# KiCad board FP Interface Card.kicad_pcb (continued)
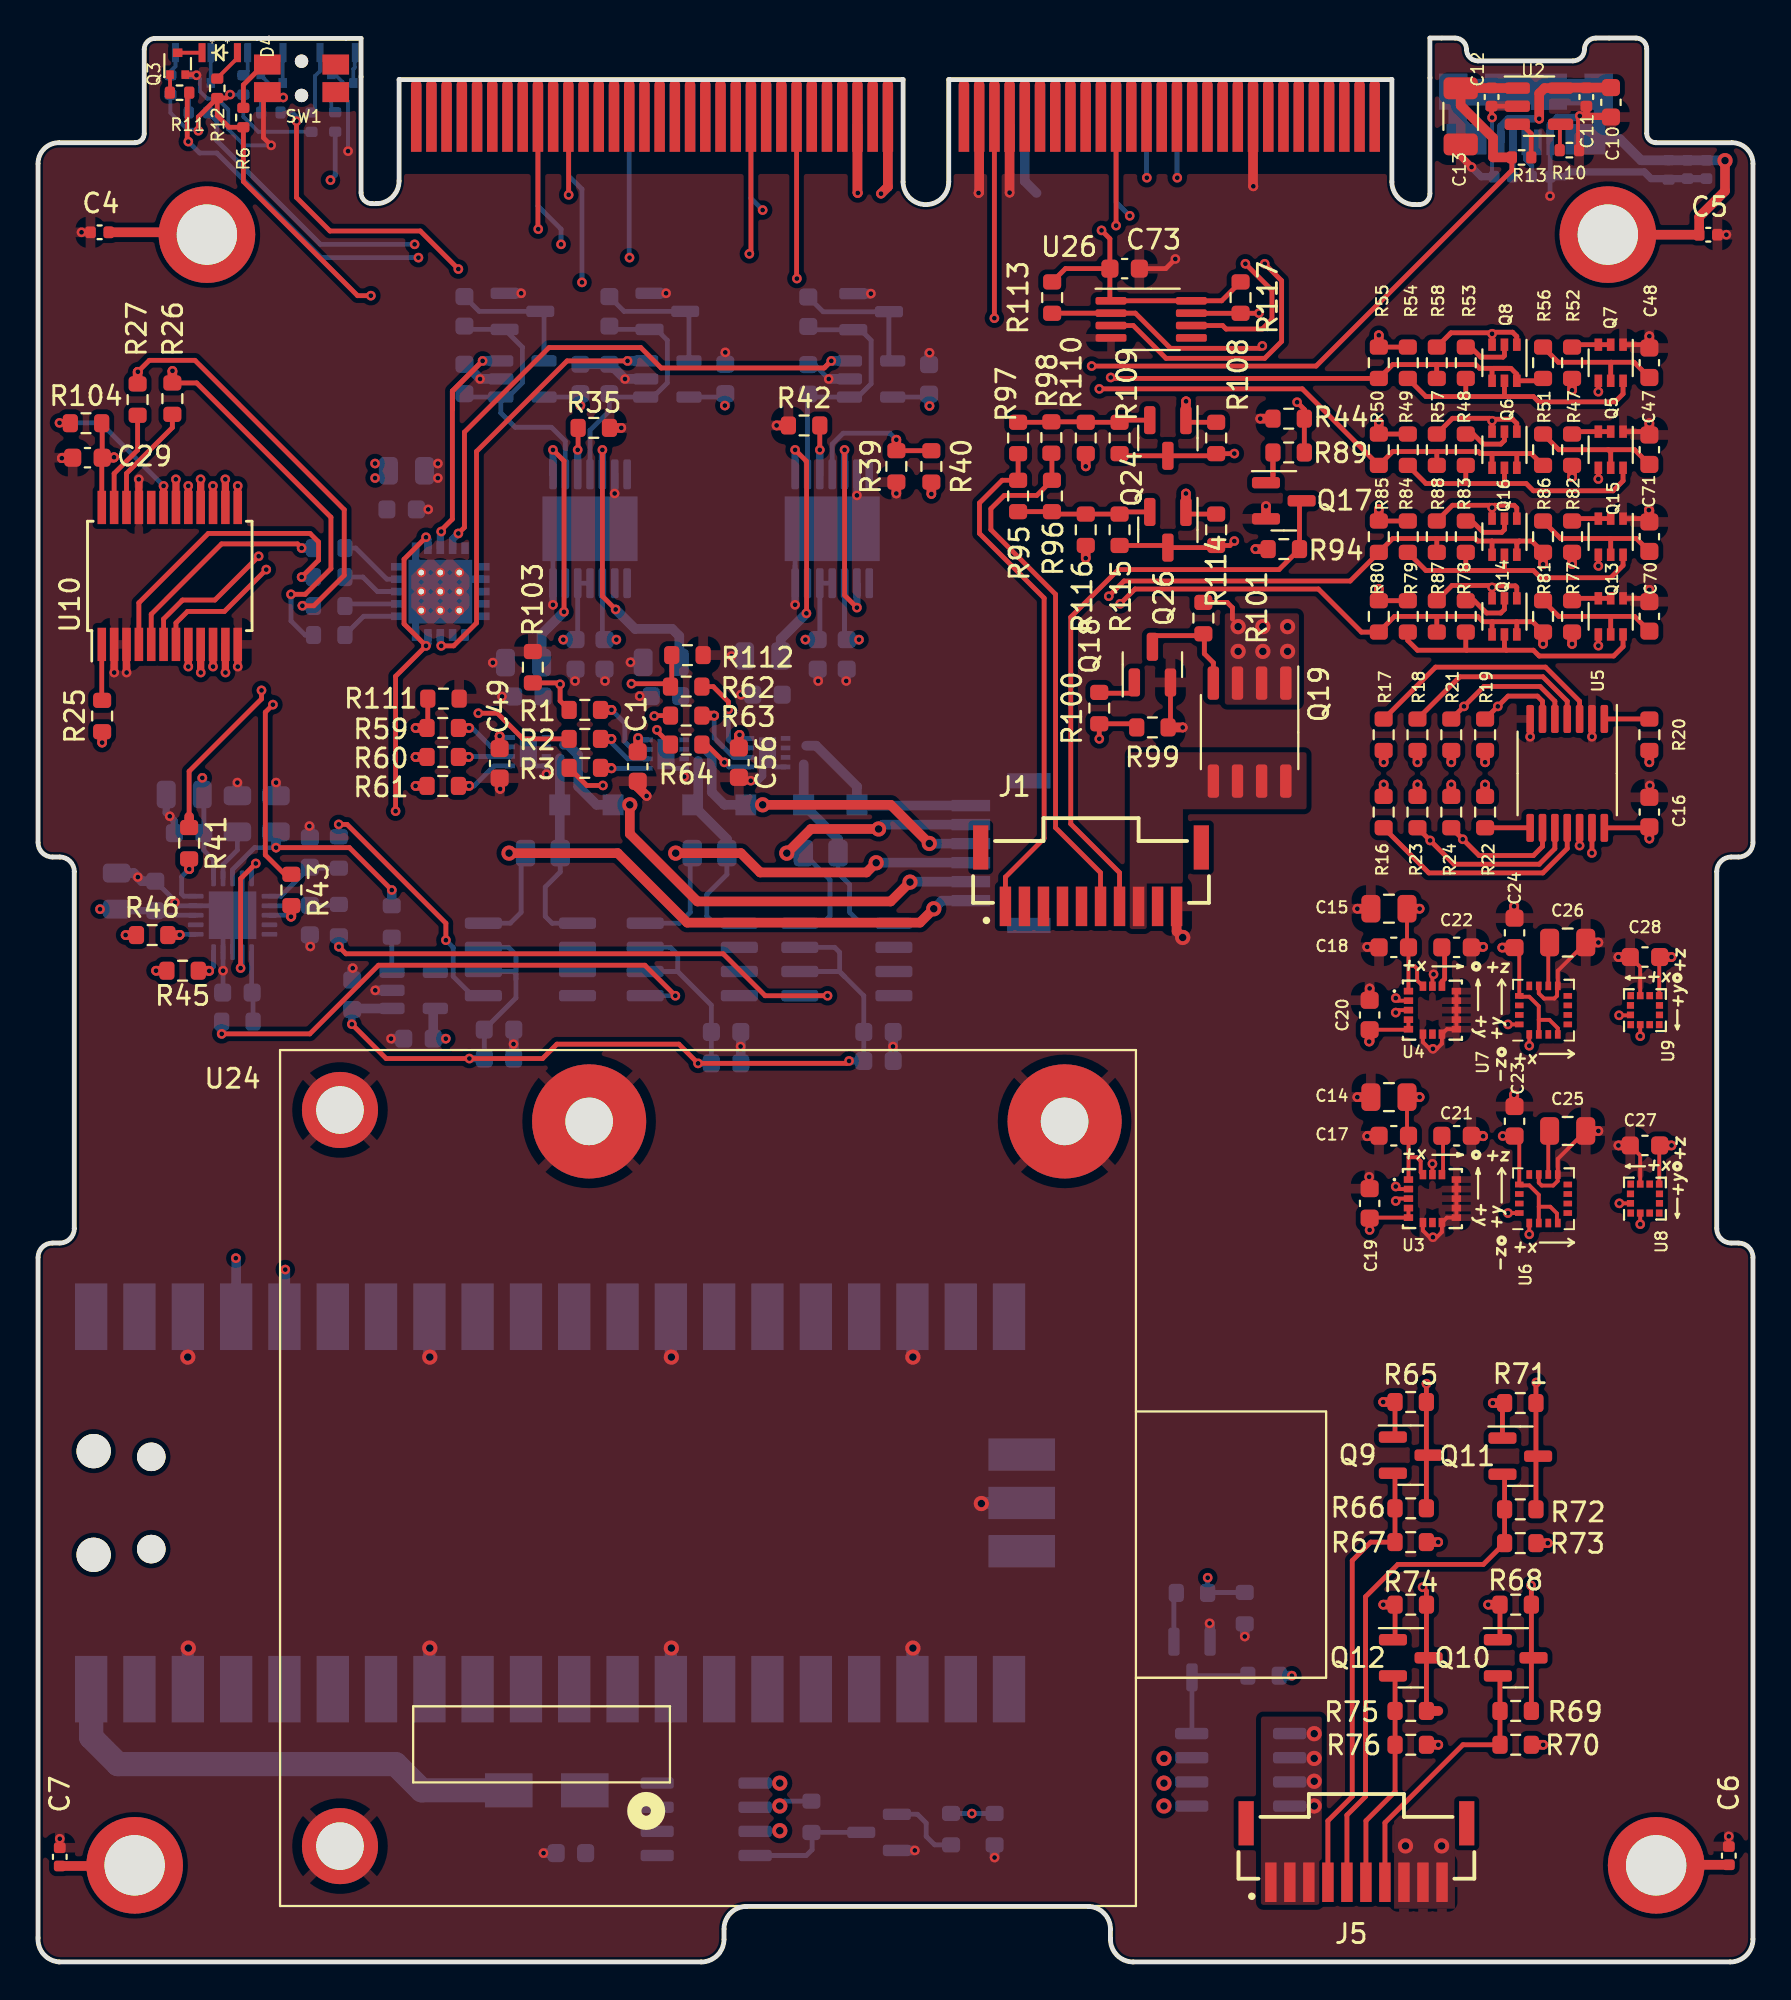
[diagram p0: board, top side]
## Footprints (pads in the part's own frame, mm; a bottom-side part is the same pattern mirrored in y, then rotated)
125mil_hole
  round 5.08 hole 3.175: 1(0,0)
APA2107x
  rect 1x0.37 smd: 1(0,-0.93) 2(0,0.93)
C_0402_1005Metric
  rrect 0.56x0.62 smd: 1(-0.48,0) 2(0.48,0)
C_0603_1608Metric
  rrect 0.9x0.95 smd: 1(-0.775,0) 2(0.775,0)
C_0805_2012Metric
  rrect 1x1.45 smd: 1(-0.95,0) 2(0.95,0)
C_1206_3216Metric
  rrect 1.15x1.8 smd: 1(-1.475,0) 2(1.475,0)
D_SMA
  rect 2.5x1.8 smd: 1(-2,0) 2(2,0)
D_SOD-123F
  rect 1.1x1.1 smd: 1(-1.4,0) 2(1.4,0)
EVQP7C01P
  round 0.7 hole 0.7 unplated: (0,-1.2) (0,-3)
  rect 1.4x1.05 smd: 1(-1.8,-1.375) 1(1.8,-1.375) 2(-1.8,-2.825) 2(1.8,-2.825)
HSEC8-160-CARD-EDGE
  custom 0.55x3.8 smd far side: 1(-25.6,-2.4) 3(-24.8,-2.4) 5(-24,-2.4) 7(-23.2,-2.4) 9(-22.4,-2.4) 11(-21.6,-2.4) 13(-20.8,-2.4) 15(-20,-2.4) 17(-19.2,-2.4) 19(-18.4,-2.4) 21(-17.6,-2.4) 23(-16.8,-2.4) 25(-16,-2.4) 27(-15.2,-2.4) 29(-14.4,-2.4) 31(-13.6,-2.4) 33(-12.8,-2.4) 35(-12,-2.4) 37(-11.2,-2.4) 39(-10.4,-2.4) 41(-9.6,-2.4) 43(-8.8,-2.4) 45(-8,-2.4) 47(-7.2,-2.4) 49(-6.4,-2.4) 51(-5.6,-2.4) 53(-4.8,-2.4) 55(-4,-2.4) 57(-3.2,-2.4) 59(-2.4,-2.4) 61(-1.6,-2.4) 63(-0.8,-2.4) 65(3.2,-2.4) 67(4,-2.4) 69(4.8,-2.4) 71(5.6,-2.4) 73(6.4,-2.4) 75(7.2,-2.4) 77(8,-2.4) 79(8.8,-2.4) 81(9.6,-2.4) 83(10.4,-2.4) 85(11.2,-2.4) 87(12,-2.4) 89(12.8,-2.4) 91(13.6,-2.4) 93(14.4,-2.4) 95(15.2,-2.4) 97(16,-2.4) 99(16.8,-2.4) 101(17.6,-2.4) 103(18.4,-2.4) 105(19.2,-2.4) 107(20,-2.4) 109(20.8,-2.4) 111(21.6,-2.4) 113(22.4,-2.4) 115(23.2,-2.4) 117(24,-2.4) 119(24.8,-2.4)
  custom 0.55x3.8 smd: 2(-25.6,-2.4) 4(-24.8,-2.4) 6(-24,-2.4) 8(-23.2,-2.4) 10(-22.4,-2.4) 12(-21.6,-2.4) 14(-20.8,-2.4) 16(-20,-2.4) 18(-19.2,-2.4) 20(-18.4,-2.4) 22(-17.6,-2.4) 24(-16.8,-2.4) 26(-16,-2.4) 28(-15.2,-2.4) 30(-14.4,-2.4) 32(-13.6,-2.4) 34(-12.8,-2.4) 36(-12,-2.4) 38(-11.2,-2.4) 40(-10.4,-2.4) 42(-9.6,-2.4) 44(-8.8,-2.4) 46(-8,-2.4) 48(-7.2,-2.4) 50(-6.4,-2.4) 52(-5.6,-2.4) 54(-4.8,-2.4) 56(-4,-2.4) 58(-3.2,-2.4) 60(-2.4,-2.4) 62(-1.6,-2.4) 64(-0.8,-2.4) 66(3.2,-2.4) 68(4,-2.4) 70(4.8,-2.4) 72(5.6,-2.4) 74(6.4,-2.4) 76(7.2,-2.4) 78(8,-2.4) 80(8.8,-2.4) 82(9.6,-2.4) 84(10.4,-2.4) 86(11.2,-2.4) 88(12,-2.4) 90(12.8,-2.4) 92(13.6,-2.4) 94(14.4,-2.4) 96(15.2,-2.4) 98(16,-2.4) 100(16.8,-2.4) 102(17.6,-2.4) 104(18.4,-2.4) 106(19.2,-2.4) 108(20,-2.4) 110(20.8,-2.4) 112(21.6,-2.4) 114(22.4,-2.4) 116(23.2,-2.4) 118(24,-2.4) 120(24.8,-2.4)
HTSSOP-14-1EP_4.4x5mm_P0.65mm_EP3.4x5mm_Mask3x3.1mm
  rrect 1.21x1.25 smd: (-0.75,-0.775) (-0.75,0.775) (0.75,-0.775) (0.75,0.775)
  rect 3x3.1 smd: (0,0)
  rrect 1.575x0.4 smd: 1(-2.862,1.95) 2(-2.862,1.3) 3(-2.862,0.65) 4(-2.862,0) 5(-2.862,-0.65) 6(-2.862,-1.3) 7(-2.862,-1.95) 8(2.862,-1.95) 9(2.862,-1.3) 10(2.862,-0.65) 11(2.862,0) 12(2.862,0.65) 13(2.862,1.3) 14(2.862,1.95)
  rect 3.4x5 smd: 15(0,0)
IAM-20380
  rrect 0.49x0.35 smd: 1(-1.26,1) 2(-1.26,0.5) 3(-1.26,0) 4(-1.26,-0.5) 5(-1.26,-1) 9(1.26,-1) 10(1.26,-0.5) 11(1.26,0) 12(1.26,0.5) 13(1.26,1)
  rrect 0.35x0.49 smd: 6(-0.5,-1.26) 7(0,-1.26) 8(0.5,-1.26) 14(0.5,1.26) 15(0,1.26) 16(-0.5,1.26)
MCP47FVB24EMQ
  rect 0.616x0.4 smd: 1(-2.283,1.3) 2(-2.283,0.65) 3(-2.283,0) 4(-2.283,-0.65) 5(-2.283,-1.3) 11(2.283,-1.3) 12(2.283,-0.65) 13(2.283,0) 14(2.283,0.65) 15(2.283,1.3)
  rect 0.4x0.616 smd: 6(-1.3,-2.283) 7(-0.65,-2.283) 8(0,-2.283) 9(0.65,-2.283) 10(1.3,-2.283) 16(1.3,2.283) 17(0.65,2.283) 18(0,2.283) 19(-0.65,2.283) 20(-1.3,2.283)
  round 0.5 hole 0.3: 21(-1,-1) 21(-1,0) 21(-1,1) 21(0,-1) 21(0,0) 21(0,1) 21(1,-1) 21(1,0) 21(1,1)
  rect 3.35x3.35 smd: 21(0,0)
MMC5983MA
  rect 0.45x0.3 smd: 1(-1.275,0.75) 2(-1.275,0.25) 3(-1.275,-0.25) 4(-1.275,-0.75) 9(1.275,-0.75) 10(1.275,-0.25) 11(1.275,0.25) 12(1.275,0.75)
  rect 0.3x0.45 smd: 5(-0.75,-1.275) 6(-0.25,-1.275) 7(0.25,-1.275) 8(0.75,-1.275) 13(0.75,1.275) 14(0.25,1.275) 15(-0.25,1.275) 16(-0.75,1.275)
MSOP-8_3x3mm_P0.65mm
  rrect 1.625x0.4 smd: 1(-2.112,0.975) 2(-2.112,0.325) 3(-2.112,-0.325) 4(-2.112,-0.975) 5(2.112,-0.975) 6(2.112,-0.325) 7(2.112,0.325) 8(2.112,0.975)
MXC6655XA
  rect 0.375x0.35 smd: 1(-0.762,0.75) 2(-0.762,0.25) 3(-0.762,-0.25) 4(-0.762,-0.75) 7(0.762,-0.75) 8(0.762,-0.25) 9(0.762,0.25) 10(0.762,0.75)
  rect 0.35x0.375 smd: 5(-0.25,-0.762) 6(0.25,-0.762) 11(0.25,0.762) 12(-0.25,0.762)
QFN-20-1EP_4x4mm_P0.5mm_EP2.5x2.5mm
  rrect 1.01x1.01 smd: (-0.625,-0.625) (-0.625,0.625) (0.625,-0.625) (0.625,0.625)
  rrect 0.825x0.25 smd: 1(-1.938,1) 2(-1.938,0.5) 3(-1.938,0) 4(-1.938,-0.5) 5(-1.938,-1) 11(1.938,-1) 12(1.938,-0.5) 13(1.938,0) 14(1.938,0.5) 15(1.938,1)
  rrect 0.25x0.825 smd: 6(-1,-1.938) 7(-0.5,-1.938) 8(0,-1.938) 9(0.5,-1.938) 10(1,-1.938) 16(1,1.938) 17(0.5,1.938) 18(0,1.938) 19(-0.5,1.938) 20(-1,1.938)
  rect 2.5x2.5 smd: 21(0,0)
R_0402_1005Metric
  rrect 0.54x0.64 smd: 1(-0.51,0) 2(0.51,0)
R_0603_1608Metric
  rrect 0.8x0.95 smd: 1(-0.825,0) 2(0.825,0)
R_0805_2012Metric
  rrect 1.025x1.4 smd: 1(-0.912,0) 2(0.912,0)
RockBlock_9603
  round 4 hole 2.5: 1(-19.35,19.35) 1(-19.35,-19.35)
  round 6 hole 2.5: 1(-6.25,18.75) 1(18.75,18.75)
RPi_Pico_SMD_TH
  oval 1.8x1.8 hole 1.8 unplated: (-2.725,24) (2.725,24)
  oval 1.5x1.5 hole 1.5 unplated: (-2.425,20.97) (2.425,20.97)
  rect 3.5x1.7 smd: 1(-8.89,24.13) 2(-8.89,21.59) 3(-8.89,19.05) 4(-8.89,16.51) 5(-8.89,13.97) 6(-8.89,11.43) 7(-8.89,8.89) 8(-8.89,6.35) 9(-8.89,3.81) 10(-8.89,1.27) 11(-8.89,-1.27) 12(-8.89,-3.81) 13(-8.89,-6.35) 14(-8.89,-8.89) 15(-8.89,-11.43) 16(-8.89,-13.97) 17(-8.89,-16.51) 18(-8.89,-19.05) 19(-8.89,-21.59) 20(-8.89,-24.13) 21(8.89,-24.13) 22(8.89,-21.59) 23(8.89,-19.05) 24(8.89,-16.51) 25(8.89,-13.97) 26(8.89,-11.43) 27(8.89,-8.89) 28(8.89,-6.35) 29(8.89,-3.81) 30(8.89,-1.27) 31(8.89,1.27) 32(8.89,3.81) 33(8.89,6.35) 34(8.89,8.89) 35(8.89,11.43) 36(8.89,13.97) 37(8.89,16.51) 38(8.89,19.05) 39(8.89,21.59) 40(8.89,24.13)
  rect 1.7x3.5 smd: 41(-2.54,-23.9) 42(0,-23.9) 43(2.54,-23.9)
SAMTEC_T1M-06-F-SV-L
  rect 0.6x2.025 smd: 1(-2.5,-2.388) 2(-1.5,-2.388) 3(-0.5,-2.388) 4(0.5,-2.388) 5(1.5,-2.388) 6(2.5,-2.388)
  rect 0.8x2.275 smd: S1(-3.8,0.662) S2(3.8,0.662)
SAMTEC_T1M-10-F-SV-L
  rect 0.6x2.075 smd: 1(-4.5,-2.413) 2(-3.5,-2.413) 3(-2.5,-2.413) 4(-1.5,-2.413) 5(-0.5,-2.413) 6(0.5,-2.413) 7(1.5,-2.413) 8(2.5,-2.413) 9(3.5,-2.413) 10(4.5,-2.413)
  rect 0.8x2.325 smd: S1(-5.8,0.688) S2(5.8,0.688)
SO-8_3.9x4.9mm_P1.27mm
  rrect 1.75x0.6 smd: 1(-2.575,1.905) 2(-2.575,0.635) 3(-2.575,-0.635) 4(-2.575,-1.905) 5(2.575,-1.905) 6(2.575,-0.635) 7(2.575,0.635) 8(2.575,1.905)
SOIC-8_3.9x4.9mm_P1.27mm
  rrect 1.95x0.6 smd: 1(-2.475,1.905) 2(-2.475,0.635) 3(-2.475,-0.635) 4(-2.475,-1.905) 5(2.475,-1.905) 6(2.475,-0.635) 7(2.475,0.635) 8(2.475,1.905)
SOT-23
  rrect 1.475x0.6 smd: 1(-0.938,0.95) 2(-0.938,-0.95) 3(0.938,0)
SOT-23-5
  rrect 1.325x0.6 smd: 1(-1.137,0.95) 2(-1.137,0) 3(-1.137,-0.95) 4(1.137,-0.95) 5(1.137,0.95)
SOT-363_SC-70-6
  rect 0.65x0.4 smd: 1(-0.95,0.65) 2(-0.95,0) 3(-0.95,-0.65) 4(0.95,-0.65) 5(0.95,0) 6(0.95,0.65)
SOT-723
  rect 0.45x0.4 smd: 1(-0.575,0.4) 2(-0.575,-0.4)
  rect 0.45x0.5 smd: 3(0.575,0)
SSOP-24_5.3x8.2mm_P0.65mm
  rect 1.75x0.45 smd: 1(-3.6,3.575) 2(-3.6,2.925) 3(-3.6,2.275) 4(-3.6,1.625) 5(-3.6,0.975) 6(-3.6,0.325) 7(-3.6,-0.325) 8(-3.6,-0.975) 9(-3.6,-1.625) 10(-3.6,-2.275) 11(-3.6,-2.925) 12(-3.6,-3.575) 13(3.6,-3.575) 14(3.6,-2.925) 15(3.6,-2.275) 16(3.6,-1.625) 17(3.6,-0.975) 18(3.6,-0.325) 19(3.6,0.325) 20(3.6,0.975) 21(3.6,1.625) 22(3.6,2.275) 23(3.6,2.925) 24(3.6,3.575)
TSSOP-14_4.4x5mm_P0.65mm
  rrect 1.475x0.4 smd: 1(-2.862,1.95) 2(-2.862,1.3) 3(-2.862,0.65) 4(-2.862,0) 5(-2.862,-0.65) 6(-2.862,-1.3) 7(-2.862,-1.95) 8(2.862,-1.95) 9(2.862,-1.3) 10(2.862,-0.65) 11(2.862,0) 12(2.862,0.65) 13(2.862,1.3) 14(2.862,1.95)
WSON-8-1EP_2x2mm_P0.5mm_EP0.9x1.6mm
  rect 0.75x0.65 smd: (0,-0.4) (0,0.4)
  rect 0.5x0.25 smd: 1(-0.95,0.75) 2(-0.95,0.25) 3(-0.95,-0.25) 4(-0.95,-0.75) 5(0.95,-0.75) 6(0.95,-0.25) 7(0.95,0.25) 8(0.95,0.75)
  rect 0.9x1.6 smd: 9(0,0)
ZX62-AB-5PA(31)
  rrect 0.406x1.346 smd: 1(-1.325,5.467)
  rect 0.406x1.346 smd: 2(-0.675,5.467) 3(-0.025,5.467) 4(0.625,5.467) 5(1.275,5.467)
  rect 1.5x1.905 smd: 6(-3.826,2.8) 6(3.826,2.8)
  rect 2.108x1.6 smd: 6(-3.124,5.3) 6(3.124,5.3)
  rect 1.905x1.905 smd: 6(-1.2,2.8) 6(1.2,2.8)

## Nets
3.3V: C1.1 C14.1 C15.1 C16.1 C17.1 C18.1 C19.1 C20.1 C23.1 C24.1 C27.1 C28.1 C29.1 C30.1 C31.1 C35.1 C36.1 C39.1 C40.1 C43.1 C49.1 C56.1 C73.1 P1.63 P1.64 Q9.1 Q10.1 Q11.1 Q12.1 Q24.1 Q26.1 R16.1 R17.1 R18.1 R19.1 R20.1 R21.1 R22.1 R23.1 R24.1 R25.1 R47.1 R49.1 R50.1 R52.1 R54.1 R55.1 R65.1 R68.1 R71.1 R74.1 R77.1 R79.1 R80.1 R82.1 R84.1 R85.1 R104.2 R108.1 R113.1 R114.1 R117.1 U1.8 U3.1 U3.4 U3.5 U3.16 U4.1 U4.4 U4.5 U4.16 U5.14 U6.2 U6.4 U6.13 U7.2 U7.4 U7.13 U8.7 U9.7 U10.24 U11.20 U13.5 U14.1 U14.18 U16.8 U19.8 U26.1 U26.8
5V_RF: P1.73 Q19.1 Q19.2 Q19.3 R94.1 R101.1 R110.1 R116.1
+5V: C32.1 C33.1 C38.1 C41.1 C61.1 C64.1 C67.1 P1.59 P1.60 Q21.1 Q21.2 Q21.3 Q23.1 Q23.2 Q23.3 R39.1 R67.1 R70.1 R73.1 R76.1 R92.1 R107.1 U12.10 U12.11 U12.12 U15.10 U15.11 U15.12 U21.5 U22.5 U23.5
/5V_USB: C12.1 C13.1 P1.70 R6.1 R7.1 R9.1 R12.1 R13.1 R15.1 U2.1
/AGND: P1.71
/Magnetotorquer Drivers/2.5V_ADCout: C45.1 R93.1 U14.3
/Magnetotorquer Drivers/2.5V_Vref: C44.1 C52.1 C53.1 C54.1 C55.1 C59.1 C60.1 U11.2 U11.14 U13.1 U17.6 U17.7 U18.6 U18.7 U20.6 U20.7
GND: C1.2 C2.2 C3.2 C4.1 C5.1 C6.1 C7.1 C8.2 C9.2 C10.2 C11.2 C12.2 C13.2 C14.2 C15.2 C16.2 C17.2 C18.2 C19.2 C20.2 C21.2 C22.2 C23.2 C24.2 C25.2 C26.2 C27.2 C28.2 C29.2 C30.2 C31.2 C32.2 C33.2 C34.1 C35.2 C36.2 C37.1 C38.2 C39.2 C40.2 C41.2 C42.1 C43.2 C44.2 C45.2 C46.2 C47.2 C48.2 C49.2 C50.2 C51.2 C52.2 C53.2 C54.2 C55.2 C56.2 C57.2 C58.2 C59.2 C60.2 C61.2 C63.2 C64.2 C66.2 C67.2 C69.2 C70.2 C71.2 C72.2 C73.2 J1.10 J3.5 J5.8 J5.9 J5.10 P1.67 P1.68 P1.72 P1.103 P1.104 Q1.2 Q2.2 Q3.2 Q4.2 Q5.1 Q5.4 Q7.1 Q7.4 Q13.1 Q13.4 Q15.1 Q15.4 Q17.2 Q18.2 Q20.2 Q22.2 R5.2 R10.2 R35.1 R40.2 R42.1 R44.2 R90.2 R99.2 R103.2 R105.2 R111.2 R112.2 RN1.2 RN2.2 RN3.2 SW1.2 U1.4 U1.9 U2.2 U3.6 U3.8 U3.9 U3.10 U3.11 U3.12 U3.13 U3.15 U4.6 U4.8 U4.9 U4.10 U4.11 U4.12 U4.13 U4.15 U5.2 U5.7 U6.9 U6.11 U7.9 U7.11 U8.9 U9.9 U10.2 U10.3 U10.12 U10.21 U11.1 U11.7 U11.15 U11.21 U12.6 U12.14 U12.15 U13.2 U14.4 U14.13 U14.14 U14.19 U14.21 U15.6 U15.14 U15.15 U16.4 U16.9 U17.2 U17.3 U17.4 U18.2 U18.3 U18.4 U19.4 U19.9 U20.2 U20.3 U20.4 U21.2 U22.2 U23.2 U24.1 U25.3 U25.8 U25.13 U25.18 U25.23 U25.28 U25.33 U25.38 U25.42 U26.4 Z1.2 Z2.2
/+X_SOLAR_PWR: P1.8
/+X_SOLAR_RTN: P1.6
/+X_SOLAR_TLE: P1.4
/+Y_SOLAR_PWR: P1.117
/+Y_SOLAR_RTN: P1.115
/+Y_SOLAR_TLE: P1.113
/-X_SOLAR_PWR: P1.118
/-X_SOLAR_RTN: P1.116
/-X_SOLAR_TLE: P1.114
/-Z_SOLAR_PWR: P1.7
/-Z_SOLAR_RTN: P1.5
/-Z_SOLAR_TLE: P1.3
/CHS: C4.2 C5.2 C6.2 C7.2 C8.1 C9.1 H1.1 H2.1 H3.1 H4.1 J3.6 R5.1
/H1-1: P1.9
/H1-2: P1.10
/H1-3: P1.13
/H1-4: P1.14
/H1-5: P1.17 Q10.3 R4.2 R68.2 R69.1
/H1-6: P1.18 Q9.3 R65.2 R66.1
/H1-7: P1.21 R14.2 R99.1 R100.1
/H1-8: P1.22 R44.1 R89.1
/H1-9: P1.25
/H1-10: P1.26
/H1-11: P1.29 R11.2 R105.1 R106.1
/H1-12: P1.30
/H1-13: P1.33
/H1-14: P1.34
/H1-16: P1.38
/H1-17: P1.41
/H1-18: P1.42
/H1-19: P1.45 Q11.3 R71.2 R72.1
/H1-20: P1.46 Q12.3 R74.2 R75.1
/H1-21: P1.49
/H1-22: P1.50
/H1-23: P1.53
/H1-24: P1.54
/H1-25: P1.57
/H1-26: P1.58
/H1-27: P1.61
/H1-28: P1.62
/H1-30: P1.66
/H1-31: P1.69
/H1-34: P1.74
/H1-35: P1.77
/H1-36: P1.78
/H1-37: P1.81
/H1-38: P1.82
/H1-39: P1.85 Q26.3 R114.2 R115.1
/H1-40: P1.86 Q24.3 R108.2 R109.1
/H1-42: P1.90
/H1-44: P1.94
/H1-45: P1.97
/H1-46: P1.98
/H1-50: P1.106
/H1-51: P1.109
/H1-52: P1.110
/H2-1: P1.11
/H2-2: P1.12
/H2-3: P1.15
/H2-4: P1.16
/H2-5: P1.19
/H2-6: P1.20
/H2-7: P1.23
/H2-8: P1.24
/H2-9: P1.27
/H2-10: P1.28
/H2-11: P1.31
/H2-12: P1.32
/H2-13: P1.35
/H2-14: P1.36
/H2-15: P1.39
/H2-16: P1.40
/H2-17: P1.43
/H2-18: P1.44
/H2-19: P1.47
/H2-20: P1.48
/H2-21: P1.51
/H2-22: P1.52 R8.2 R90.1 R91.1
/H2-23: P1.55
/H2-24: P1.56
/H2-33: P1.75
/H2-34: P1.76
/H2-35: P1.79
/H2-36: P1.80
/H2-37: P1.83
/H2-38: P1.84
/H2-39: P1.87
/H2-40: P1.88
/H2-41: P1.91
/H2-42: P1.92
/H2-43: P1.95
/H2-44: P1.96
/H2-45: P1.99
/H2-46: P1.100
/H2-49: P1.107
/H2-50: P1.108
/H2-51: P1.111
/H2-52: P1.112
/I2C-Protection-1/SCL_IN: Q6.1 Q6.3 Q14.1 Q14.3 R57.2 R87.2 R113.2 U26.2
/I2C-Protection-1/SDA_IN: Q8.1 Q8.3 Q16.1 Q16.3 R58.2 R88.2 R117.2 U26.7
/IMU/SCL_IMU1: R19.2 U4.2 U5.6 U7.1 U9.12
/IMU/SCL_IMU2: R23.2 U3.2 U5.10 U6.1 U8.12
/IMU/SDA_IMU1: R21.2 U4.3 U5.5 U7.16 U9.2
/IMU/SDA_IMU2: R24.2 U3.3 U5.9 U6.16 U8.2
/Level Shifter 5/io_hi: Q24.2 R97.1 R98.1 R109.2 R110.2
/Level Shifter 6/io_hi: Q26.2 R95.1 R96.1 R115.2 R116.2
/Magnetotorquer Drivers/ADC_ALERT/BUSY: R43.1 U10.18
/Magnetotorquer Drivers/DRV_EN_X: R61.1 U10.9
/Magnetotorquer Drivers/DRV_EN_Y: R3.1 U10.13
/Magnetotorquer Drivers/DRV_EN_Z: R64.1 U10.16
/Magnetotorquer Drivers/DRV_PH_X: R60.1 U10.8
/Magnetotorquer Drivers/DRV_PH_Y: R2.1 U10.11
/Magnetotorquer Drivers/DRV_PH_Z: R63.1 U10.15
/Magnetotorquer Drivers/Full Bridge 1/OUT2: D6.1 R32.1 U16.3 U17.1
/Magnetotorquer Drivers/Full Bridge 2/OUT2: D1.1 R33.1 U1.3 U18.1
/Magnetotorquer Drivers/Full Bridge 3/OUT2: D7.1 R34.1 U19.3 U20.1
/Magnetotorquer Drivers/unused: U15.5 U15.9
/Magnetotorquer Drivers/X_Drive: C50.1 C51.1 U12.1 U12.13 U16.1
/Magnetotorquer Drivers/X_sen: R36.2 U17.5
/Magnetotorquer Drivers/X_Vs_2.5V: U11.3 U22.3
/Magnetotorquer Drivers/X_Vs_5V: C65.1 C66.1 RN2.1 U12.2 U22.1
/Magnetotorquer Drivers/Y_Drive: C2.1 C3.1 U1.1 U12.5 U12.9
/Magnetotorquer Drivers/Y_sen: R37.2 U18.5
/Magnetotorquer Drivers/Y_Vs_2.5V: U11.13 U21.3
/Magnetotorquer Drivers/Y_Vs_5V: C62.1 C63.1 RN1.1 U12.4 U21.1
/Magnetotorquer Drivers/Z_drive: C57.1 C58.1 U15.1 U15.13 U19.1
/Magnetotorquer Drivers/Z_sen: R38.2 U20.5
/Magnetotorquer Drivers/Z_Vs_2.5V: U11.4 U23.3
/Magnetotorquer Drivers/Z_Vs_5V: C68.1 C69.1 RN3.1 U15.2 U23.1
/Magnetotorquer Drivers/~{ADC_RST}: R41.1 R104.1 U10.19
/Magnetotorquer Drivers/~{AMP_SHDN_XY}: R35.2 U10.6 U12.3
/Magnetotorquer Drivers/~{AMP_SHDN_Z}: R42.2 U10.7 U15.3
/Magnetotorquer Drivers/~{DAC_LAT0}: R30.1 U10.4
/Magnetotorquer Drivers/~{DAC_LAT1}: R31.1 U10.5
/Magnetotorquer Drivers/~{DRV_SLP_X}: R59.1 R111.1 U10.10
/Magnetotorquer Drivers/~{DRV_SLP_Y}: R1.1 R103.1 U10.14
/Magnetotorquer Drivers/~{DRV_SLP_Z}: R62.1 R112.1 U10.17
/P_RESET: J5.4 Q9.2 R66.2 R67.2
/P_RXD: J5.6 Q12.2 R75.2 R76.2
/P_TXD: J5.5 Q11.2 R72.2 R73.2
/PAYLOAD_5V: J5.1 J5.2 J5.3 Q23.5 Q23.6 Q23.7 Q23.8
/PAYLOAD_PWR_SW: Q22.1 R106.2
/Pico/RB_PWR_SW_B: Q20.1 R91.2
/RB_5V_IN: J1.8 Q19.5 Q19.6 Q19.7 Q19.8
/RB_CTS: J1.2
/RB_Li-iON: J1.9
/RB_NetAv: J1.4
/RB_OnOff: J1.7 Q17.3 R94.2
/RB_PWR_SW_B: Q18.1 R100.2
/RB_RI: J1.5
/RB_RTS: J1.3
/RB_RxD: J1.1 R95.2 R97.2
/RB_TxD: J1.6 R96.2 R98.2
/RBF: P1.37
/SCL_IMU: Q14.4 Q14.6 R80.2 R81.1 R87.1 U5.12 U25.5
/SCL_Magnetotorquers: Q6.4 Q6.6 R26.1 R28.1 R46.1 R50.2 R51.1 R57.1
/SCL_SYS: P1.93 U26.3
/SDA_IMU: Q16.4 Q16.6 R85.2 R86.1 R88.1 U5.13 U25.4
/SDA_Magnetotorquers: Q8.4 Q8.6 R27.1 R29.1 R45.1 R55.2 R56.1 R58.1
/SDA_SYS: P1.89 U26.6
/SELF_TEST: P1.101
/SEP1: P1.1
/SEP2: P1.2
/SEP3: P1.119
/SEP4: P1.120
/SERVO_PWR_CTRL: J5.7 Q10.2 R69.2 R70.2
/SW_NO: R6.2 SW1.1
/USB_D+: J3.3 Z1.1
/USB_D-: J3.2 Z2.1
/USER_1: P1.102
/USER_2: P1.105
/X+: D6.2 J4.2 U16.2
/X-: J4.1 R32.2 U17.8
/Y+: D1.2 J4.4 U1.2
/Y-: J4.3 R33.2 U18.8
/Z+: D7.2 J4.6 U19.2
/Z-: J4.5 R34.2 U20.8
/~{BUS_RESET}: P1.65
/~{USB_EN}: R10.1 U2.4
/~{USB_FLAG}: R13.2 U2.3
Net-(C10-Pad1): C10.1 C11.1 J3.1 U2.5
Net-(C21-Pad1): C21.1 U3.14
Net-(C22-Pad1): C22.1 U4.14
Net-(C25-Pad1): C25.1 U6.10
Net-(C26-Pad1): C26.1 U7.10
Net-(C34-Pad2): C34.2 R36.1 U14.6
Net-(C37-Pad2): C37.2 R37.1 U14.11
Net-(C42-Pad2): C42.2 R38.1 U14.7
Net-(C46-Pad1): C46.1 U14.2
Net-(C47-Pad1): C47.1 Q5.5 R51.2
Net-(C48-Pad1): C48.1 Q7.5 R56.2
Net-(C62-Pad2): C62.2 RN1.3 U21.4
Net-(C65-Pad2): C65.2 RN2.3 U22.4
Net-(C68-Pad2): C68.2 RN3.3 U23.4
Net-(C70-Pad1): C70.1 Q13.5 R81.2
Net-(C71-Pad1): C71.1 Q15.5 R86.2
Net-(C72-Pad1): C72.1 D8.2 Q21.5 Q21.6 Q21.7 Q21.8
Net-(D2-Pad1): D2.1 Q1.3
Net-(D2-Pad2): D2.2 R7.2
Net-(D3-Pad1): D3.1 Q2.3
Net-(D3-Pad2): D3.2 R9.2
Net-(D4-Pad1): D4.1 Q3.3
Net-(D4-Pad2): D4.2 R12.2
Net-(D5-Pad1): D5.1 Q4.3
Net-(D5-Pad2): D5.2 R15.2
Net-(D8-Pad1): D8.1 U25.40
Net-(Q1-Pad1): Q1.1 R4.1
Net-(Q2-Pad1): Q2.1 R8.1
Net-(Q3-Pad1): Q3.1 R11.1
Net-(Q4-Pad1): Q4.1 R14.1
Net-(Q5-Pad2): Q5.2 Q5.3 R47.2
Net-(Q5-Pad6): Q5.6 Q6.5 R48.2 R49.2
Net-(Q6-Pad2): Q6.2 R48.1
Net-(Q7-Pad2): Q7.2 Q7.3 R52.2
Net-(Q7-Pad6): Q7.6 Q8.5 R53.2 R54.2
Net-(Q8-Pad2): Q8.2 R53.1
Net-(Q13-Pad2): Q13.2 Q13.3 R77.2
Net-(Q13-Pad6): Q13.6 Q14.5 R78.2 R79.2
Net-(Q14-Pad2): Q14.2 R78.1
Net-(Q15-Pad2): Q15.2 Q15.3 R82.2
Net-(Q15-Pad6): Q15.6 Q16.5 R83.2 R84.2
Net-(Q16-Pad2): Q16.2 R83.1
Net-(Q17-Pad1): Q17.1 R89.2
Net-(Q18-Pad3): Q18.3 Q19.4 R101.2
Net-(Q20-Pad3): Q20.3 Q21.4 R92.2
Net-(Q22-Pad3): Q22.3 Q23.4 R107.2
Net-(R1-Pad2): R1.2 U1.7
Net-(R2-Pad2): R2.2 U1.6
Net-(R3-Pad2): R3.2 U1.5
Net-(R16-Pad2): R16.2 U5.11
Net-(R17-Pad2): R17.2 U5.3
Net-(R18-Pad2): R18.2 U5.4
Net-(R20-Pad2): R20.2 U5.1
Net-(R22-Pad2): R22.2 U5.8
Net-(R25-Pad2): R25.2 U10.1
Net-(R26-Pad2): R26.2 U10.22
Net-(R27-Pad2): R27.2 U10.23
Net-(R28-Pad2): R28.2 U11.16
Net-(R29-Pad2): R29.2 U11.17
Net-(R30-Pad2): R30.2 U11.18
Net-(R31-Pad2): R31.2 U11.19
Net-(R39-Pad2): R39.2 R40.1 U15.4
Net-(R41-Pad2): R41.2 U14.20
Net-(R43-Pad2): R43.2 U14.8
Net-(R45-Pad2): R45.2 U14.15